# Altium PCB dac_brd_raton_v0.PcbDoc (part 1 of 3) (continued)
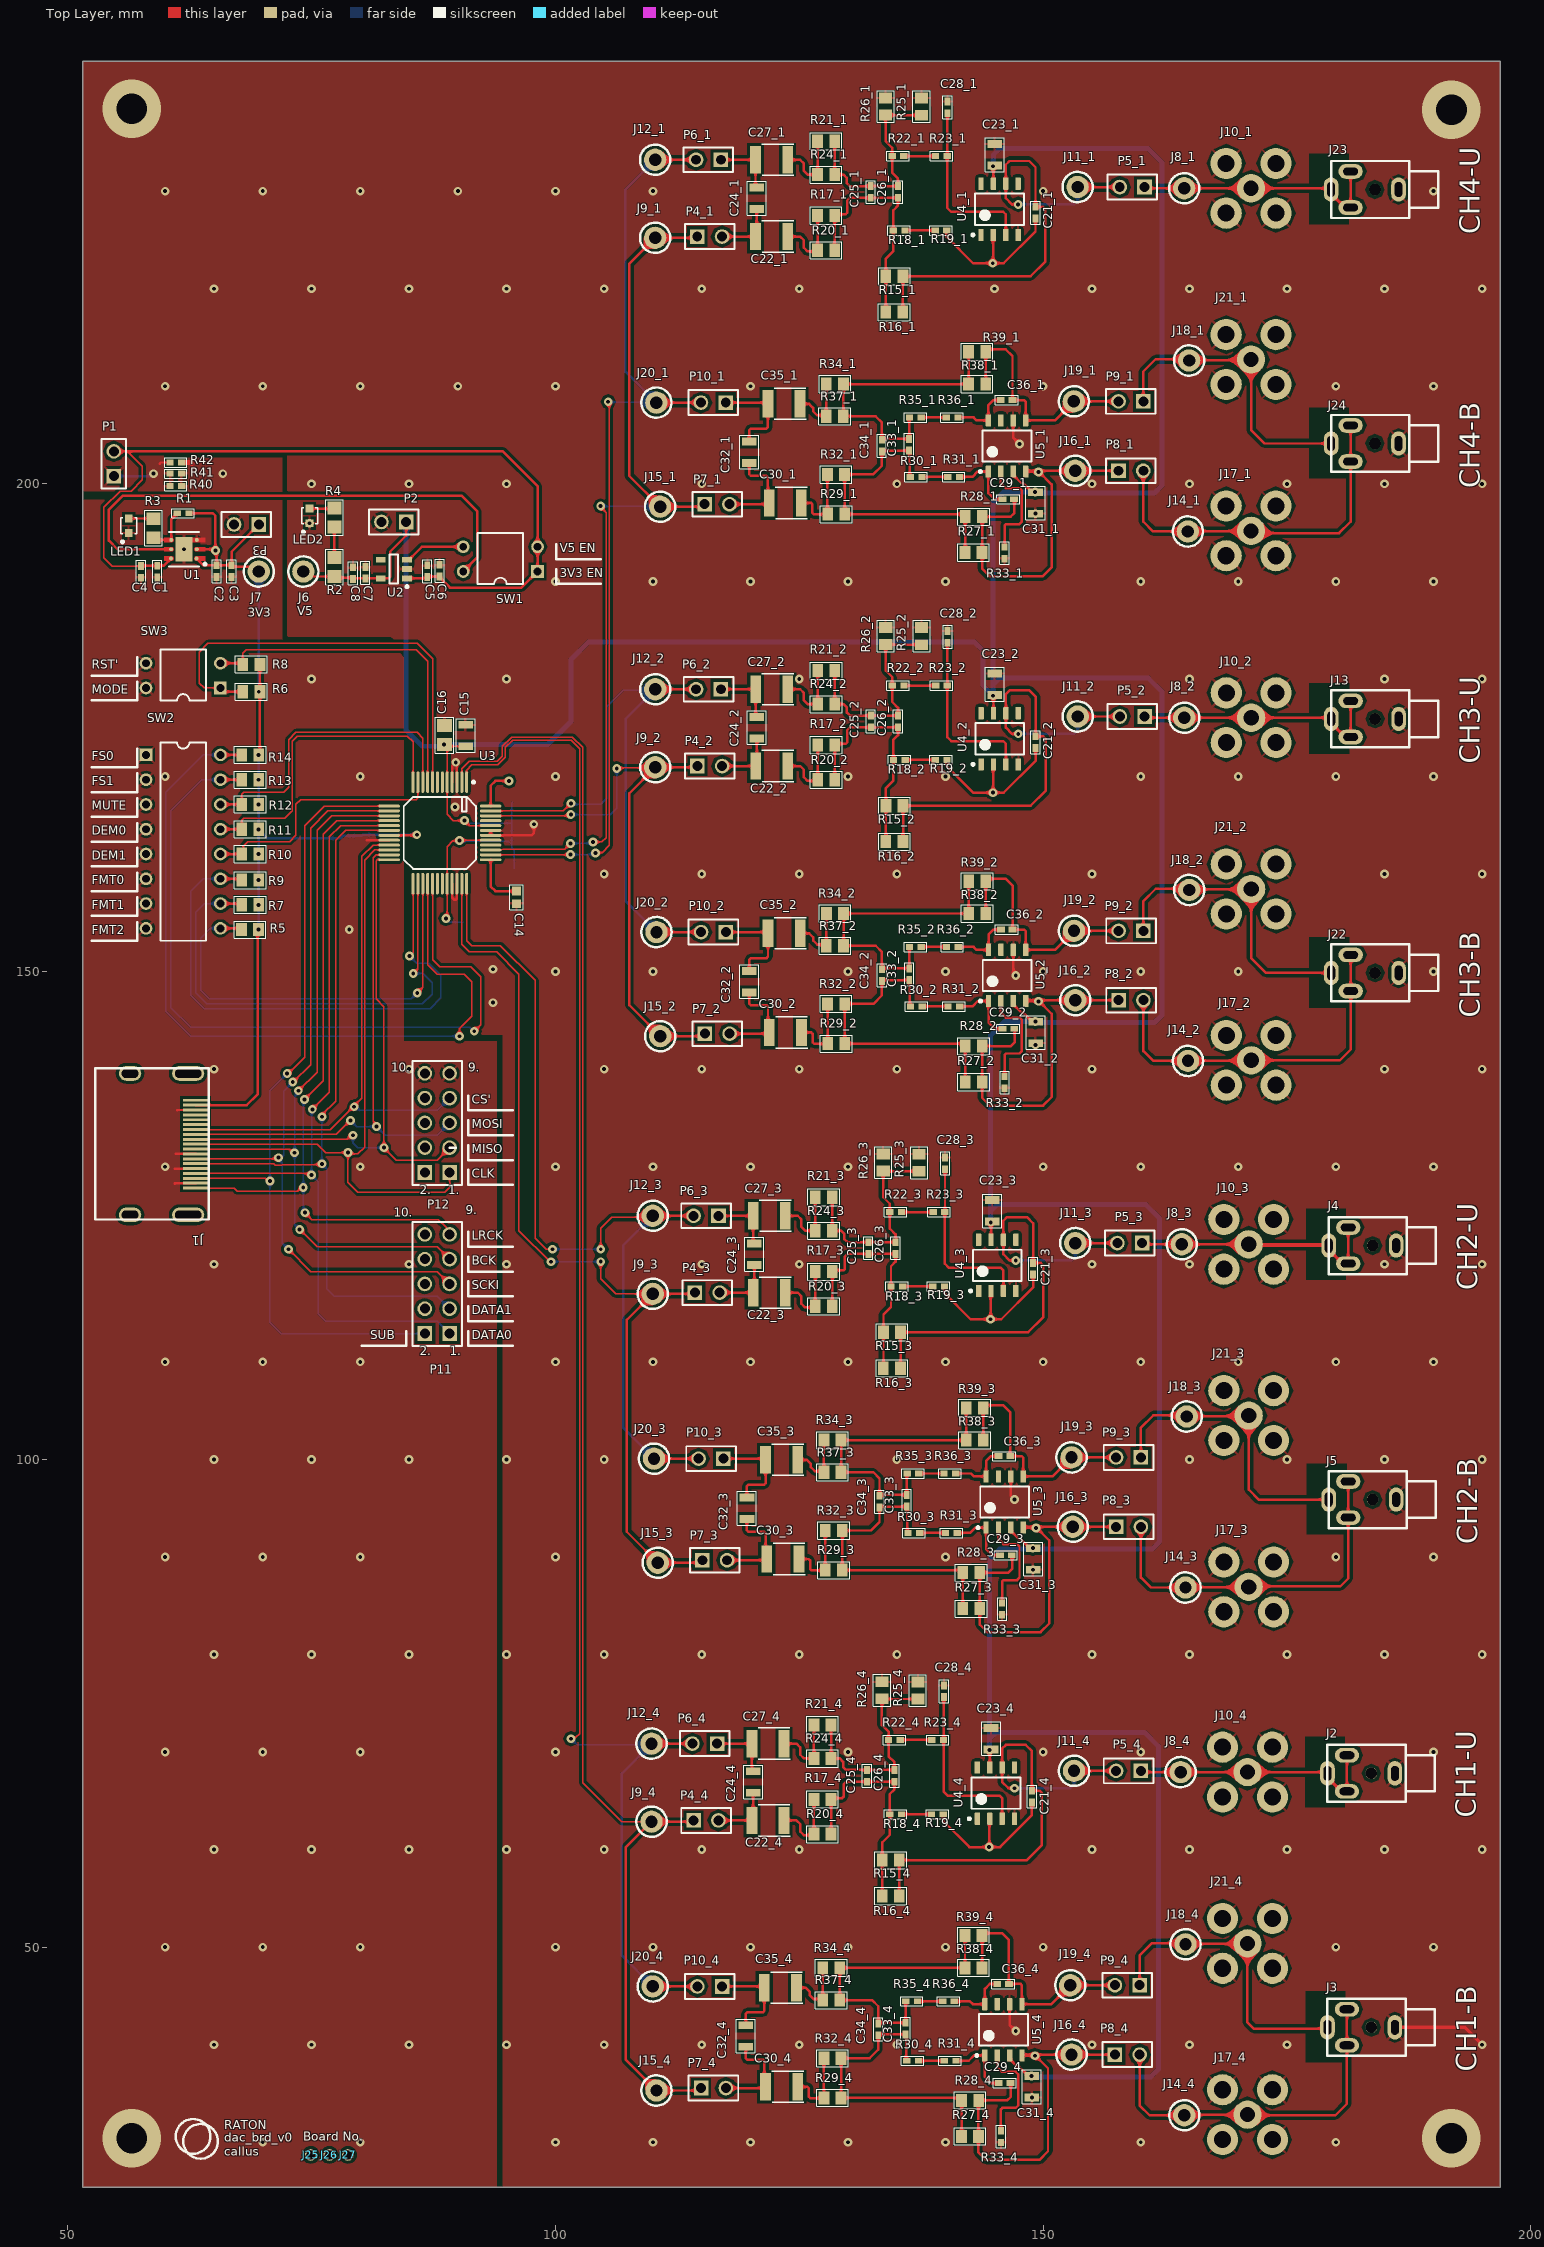
[diagram p0: Top Layer view]
## Components (designator, comment, footprint, x,y, rotation, side; value= is the part's Value field where it differs from the comment) (continued)
C31_2 "CAP 0.1uF CER 0805 50V  X7R 5%" 0805-M#1 149.225,143.764 r270 top value=100nF (schematic designator C31)
C31_3 "CAP 0.1uF CER 0805 50V  X7R 5%" 0805-M#1 148.971,89.789 r270 top value=100nF (schematic designator C31)
C31_4 "CAP 0.1uF CER 0805 50V  X7R 5%" 0805-M#1 148.844,35.687 r270 top value=100nF (schematic designator C31)
C32_1 "CAP 22pF CER 0805 50V C0G 2%" 0805-M#1 119.875,203.244 r90 top value=22pF (schematic designator C32)
C32_2 "CAP 22pF CER 0805 50V C0G 2%" 0805-M#1 119.888,148.971 r90 top value=22pF (schematic designator C32)
C32_3 "CAP 22pF CER 0805 50V C0G 2%" 0805-M#1 119.634,94.996 r90 top value=22pF (schematic designator C32)
C32_4 "CAP 22pF CER 0805 50V C0G 2%" 0805-M#1 119.507,40.894 r90 top value=22pF (schematic designator C32)
C33_1 "CAP 1nF CER 0402 50V X5R 10%" 0402-M#1 136.258,204.006 r90 top value=1nF (schematic designator C33)
C33_2 "CAP 1nF CER 0402 50V X5R 10%" 0402-M#1 136.271,149.733 r90 top value=1nF (schematic designator C33)
C33_3 "CAP 1nF CER 0402 50V X5R 10%" 0402-M#1 136.017,95.758 r90 top value=1nF (schematic designator C33)
C33_4 "CAP 1nF CER 0402 50V X5R 10%" 0402-M#1 135.89,41.656 r90 top value=1nF (schematic designator C33)
C34_1 "CAP 1nF CER 0402 50V X5R 10%" 0402-M#1 133.464,203.914 r90 top value=1nF (schematic designator C34)
C34_2 "CAP 1nF CER 0402 50V X5R 10%" 0402-M#1 133.477,149.641 r90 top value=1nF (schematic designator C34)
C34_3 "CAP 1nF CER 0402 50V X5R 10%" 0402-M#1 133.223,95.666 r90 top value=1nF (schematic designator C34)
C34_4 "CAP 1nF CER 0402 50V X5R 10%" 0402-M#1 133.096,41.564 r90 top value=1nF (schematic designator C34)
C35_1 "CAP 100uF CER 1210 16V X5R 20%" 1210-M 123.431,208.197 r180 top value=100µF (schematic designator C35)
C35_2 "CAP 100uF CER 1210 16V X5R 20%" 1210-M 123.444,153.924 r180 top value=100µF (schematic designator C35)
C35_3 "CAP 100uF CER 1210 16V X5R 20%" 1210-M 123.19,99.949 r180 top value=100µF (schematic designator C35)
C35_4 "CAP 100uF CER 1210 16V X5R 20%" 1210-M 123.063,45.847 r180 top value=100µF (schematic designator C35)
C36_1 "CAP 1nF CER 0402 50V X5R 10%" 0402-M#1 146.256,208.578 r0 top value=1nF (schematic designator C36)
C36_2 "CAP 1nF CER 0402 50V X5R 10%" 0402-M#1 146.269,154.305 r0 top value=1nF (schematic designator C36)
C36_3 "CAP 1nF CER 0402 50V X5R 10%" 0402-M#1 146.015,100.33 r0 top value=1nF (schematic designator C36)
C36_4 "CAP 1nF CER 0402 50V X5R 10%" 0402-M#1 145.888,46.228 r0 top value=1nF (schematic designator C36)
J1 "2086581051" 2086581051 64.419,132.31 r270 top
J2 "SJ1-2503A" SJ1-2503A-Footprint-1 183.642,67.818 r180 top
J3 "SJ1-2503A" SJ1-2503A-Footprint-1 183.642,41.783 r180 top
J4 "SJ1-2503A" SJ1-2503A-Footprint-1 183.769,121.92 r180 top
J5 "SJ1-2503A" SJ1-2503A-Footprint-1 183.769,95.885 r180 top
J6 "151-203-RC" 151-203-RC-Footprint-1 74.168,191.008 r180 top
J7 "151-203-RC" 151-203-RC-Footprint-1 69.596,191.008 r180 top
J8_1 "151-203-RC" 151-203-RC-Footprint-1 164.452,230.295 r180 top (schematic designator J8)
J8_2 "151-203-RC" 151-203-RC-Footprint-1 164.465,176.022 r180 top (schematic designator J8)
J8_3 "151-203-RC" 151-203-RC-Footprint-1 164.211,122.047 r180 top (schematic designator J8)
J8_4 "151-203-RC" 151-203-RC-Footprint-1 164.084,67.945 r180 top (schematic designator J8)
J9_1 "151-203-RC" 151-203-RC-Footprint-1 110.223,225.215 r90 top (schematic designator J9)
J9_2 "151-203-RC" 151-203-RC-Footprint-1 110.236,170.942 r90 top (schematic designator J9)
J9_3 "151-203-RC" 151-203-RC-Footprint-1 109.982,116.967 r90 top (schematic designator J9)
J9_4 "151-203-RC" 151-203-RC-Footprint-1 109.855,62.865 r90 top (schematic designator J9)
J10_1 "SMA CONNECTOR" "SMA CONNECTOR-Footprint-1" 171.31,230.295 r90 top (schematic designator J10)
J10_2 "SMA CONNECTOR" "SMA CONNECTOR-Footprint-1" 171.323,176.022 r90 top (schematic designator J10)
J10_3 "SMA CONNECTOR" "SMA CONNECTOR-Footprint-1" 171.069,122.047 r90 top (schematic designator J10)
J10_4 "SMA CONNECTOR" "SMA CONNECTOR-Footprint-1" 170.942,67.945 r90 top (schematic designator J10)
J11_1 "151-203-RC" 151-203-RC-Footprint-1 153.53,230.422 r180 top (schematic designator J11)
J11_2 "151-203-RC" 151-203-RC-Footprint-1 153.543,176.149 r180 top (schematic designator J11)
J11_3 "151-203-RC" 151-203-RC-Footprint-1 153.289,122.174 r180 top (schematic designator J11)
J11_4 "151-203-RC" 151-203-RC-Footprint-1 153.162,68.072 r180 top (schematic designator J11)
J12_1 "151-203-RC" 151-203-RC-Footprint-1 110.223,233.216 r90 top (schematic designator J12)
J12_2 "151-203-RC" 151-203-RC-Footprint-1 110.236,178.943 r90 top (schematic designator J12)
J12_3 "151-203-RC" 151-203-RC-Footprint-1 109.982,124.968 r90 top (schematic designator J12)
J12_4 "151-203-RC" 151-203-RC-Footprint-1 109.855,70.866 r90 top (schematic designator J12)
J13 "SJ1-2503A" SJ1-2503A-Footprint-1 184.023,175.895 r180 top
J14_1 "151-203-RC" 151-203-RC-Footprint-1 164.833,195.116 r90 top (schematic designator J14)
J14_2 "151-203-RC" 151-203-RC-Footprint-1 164.846,140.843 r90 top (schematic designator J14)
J14_3 "151-203-RC" 151-203-RC-Footprint-1 164.592,86.868 r90 top (schematic designator J14)
J14_4 "151-203-RC" 151-203-RC-Footprint-1 164.465,32.766 r90 top (schematic designator J14)
J15_1 "151-203-RC" 151-203-RC-Footprint-1 110.731,197.656 r180 top (schematic designator J15)
J15_2 "151-203-RC" 151-203-RC-Footprint-1 110.744,143.383 r180 top (schematic designator J15)
J15_3 "151-203-RC" 151-203-RC-Footprint-1 110.49,89.408 r180 top (schematic designator J15)
J15_4 "151-203-RC" 151-203-RC-Footprint-1 110.363,35.306 r180 top (schematic designator J15)
J16_1 "151-203-RC" 151-203-RC-Footprint-1 153.276,201.339 r90 top (schematic designator J16)
J16_2 "151-203-RC" 151-203-RC-Footprint-1 153.289,147.066 r90 top (schematic designator J16)
J16_3 "151-203-RC" 151-203-RC-Footprint-1 153.035,93.091 r90 top (schematic designator J16)
J16_4 "151-203-RC" 151-203-RC-Footprint-1 152.908,38.989 r90 top (schematic designator J16)
J17_1 "SMA CONNECTOR" "SMA CONNECTOR-Footprint-1" 171.31,195.18 r90 top (schematic designator J17)
J17_2 "SMA CONNECTOR" "SMA CONNECTOR-Footprint-1" 171.323,140.906 r90 top (schematic designator J17)
J17_3 "SMA CONNECTOR" "SMA CONNECTOR-Footprint-1" 171.069,86.931 r90 top (schematic designator J17)
J17_4 "SMA CONNECTOR" "SMA CONNECTOR-Footprint-1" 170.942,32.829 r90 top (schematic designator J17)
J18_1 "151-203-RC" 151-203-RC-Footprint-1 164.96,212.642 r90 top (schematic designator J18)
J18_2 "151-203-RC" 151-203-RC-Footprint-1 164.973,158.369 r90 top (schematic designator J18)
J18_3 "151-203-RC" 151-203-RC-Footprint-1 164.719,104.394 r90 top (schematic designator J18)
J18_4 "151-203-RC" 151-203-RC-Footprint-1 164.592,50.292 r90 top (schematic designator J18)
J19_1 "151-203-RC" 151-203-RC-Footprint-1 153.149,208.451 r90 top (schematic designator J19)
J19_2 "151-203-RC" 151-203-RC-Footprint-1 153.162,154.178 r90 top (schematic designator J19)
J19_3 "151-203-RC" 151-203-RC-Footprint-1 152.908,100.203 r90 top (schematic designator J19)
J19_4 "151-203-RC" 151-203-RC-Footprint-1 152.781,46.101 r90 top (schematic designator J19)
J20_1 "151-203-RC" 151-203-RC-Footprint-1 110.35,208.324 r180 top (schematic designator J20)
J20_2 "151-203-RC" 151-203-RC-Footprint-1 110.363,154.051 r180 top (schematic designator J20)
J20_3 "151-203-RC" 151-203-RC-Footprint-1 110.109,100.076 r180 top (schematic designator J20)
J20_4 "151-203-RC" 151-203-RC-Footprint-1 109.982,45.974 r180 top (schematic designator J20)
J21_1 "SMA CONNECTOR" "SMA CONNECTOR-Footprint-1" 171.31,212.738 r90 top (schematic designator J21)
J21_2 "SMA CONNECTOR" "SMA CONNECTOR-Footprint-1" 171.323,158.464 r90 top (schematic designator J21)
J21_3 "SMA CONNECTOR" "SMA CONNECTOR-Footprint-1" 171.069,104.489 r90 top (schematic designator J21)
J21_4 "SMA CONNECTOR" "SMA CONNECTOR-Footprint-1" 170.942,50.387 r90 top (schematic designator J21)
J22 "SJ1-2503A" SJ1-2503A-Footprint-1 184.023,149.86 r180 top
J23 "SJ1-2503A" SJ1-2503A-Footprint-1 184.01,230.168 r180 top
J24 "SJ1-2503A" SJ1-2503A-Footprint-1 184.01,204.133 r180 top
J25 "1PIN Debug" "1 Pin Debug Port 0.9mm" 74.93,28.702 r90 top
J26 "1PIN Debug" "1 Pin Debug Port 0.9mm" 76.835,28.702 r90 top
J27 "1PIN Debug" "1 Pin Debug Port 0.9mm" 78.74,28.702 r90 top
LED1 "LED 0603 Green 20mA 1.8V" "0603 Generic" 56.261,195.695 r90 top
LED2 "LED 0603 Green 20mA 1.8V" "0603 Generic" 74.803,196.711 r90 top
P1 "GENERIC 2PIN HEADER MALE" "GENERIC 2PIN HEADER 0" 54.737,200.787 r180 top
P2 "GENERIC 2PIN HEADER MALE" "GENERIC 2PIN HEADER 0" 84.709,196.088 r270 top
P3 "GENERIC 2PIN HEADER MALE" "GENERIC 2PIN HEADER 0" 69.596,195.834 r270 top
P4_1 "GENERIC 2PIN HEADER MALE" "GENERIC 2PIN HEADER 0" 114.541,225.342 r90 top (schematic designator P4)
P4_2 "GENERIC 2PIN HEADER MALE" "GENERIC 2PIN HEADER 0" 114.554,171.069 r90 top (schematic designator P4)
P4_3 "GENERIC 2PIN HEADER MALE" "GENERIC 2PIN HEADER 0" 114.3,117.094 r90 top (schematic designator P4)
P4_4 "GENERIC 2PIN HEADER MALE" "GENERIC 2PIN HEADER 0" 114.173,62.992 r90 top (schematic designator P4)
P5_1 "GENERIC 2PIN HEADER MALE" "GENERIC 2PIN HEADER 0" 160.388,230.422 r270 top (schematic designator P5)
P5_2 "GENERIC 2PIN HEADER MALE" "GENERIC 2PIN HEADER 0" 160.401,176.149 r270 top (schematic designator P5)
P5_3 "GENERIC 2PIN HEADER MALE" "GENERIC 2PIN HEADER 0" 160.147,122.174 r270 top (schematic designator P5)
P5_4 "GENERIC 2PIN HEADER MALE" "GENERIC 2PIN HEADER 0" 160.02,68.072 r270 top (schematic designator P5)
P6_1 "GENERIC 2PIN HEADER MALE" "GENERIC 2PIN HEADER 0" 116.954,233.216 r270 top (schematic designator P6)
P6_2 "GENERIC 2PIN HEADER MALE" "GENERIC 2PIN HEADER 0" 116.967,178.943 r270 top (schematic designator P6)
P6_3 "GENERIC 2PIN HEADER MALE" "GENERIC 2PIN HEADER 0" 116.713,124.968 r270 top (schematic designator P6)
P6_4 "GENERIC 2PIN HEADER MALE" "GENERIC 2PIN HEADER 0" 116.586,70.866 r270 top (schematic designator P6)
P7_1 "GENERIC 2PIN HEADER MALE" "GENERIC 2PIN HEADER 0" 115.303,197.91 r90 top (schematic designator P7)
P7_2 "GENERIC 2PIN HEADER MALE" "GENERIC 2PIN HEADER 0" 115.316,143.637 r90 top (schematic designator P7)
P7_3 "GENERIC 2PIN HEADER MALE" "GENERIC 2PIN HEADER 0" 115.062,89.662 r90 top (schematic designator P7)
P7_4 "GENERIC 2PIN HEADER MALE" "GENERIC 2PIN HEADER 0" 114.935,35.56 r90 top (schematic designator P7)
P8_1 "GENERIC 2PIN HEADER MALE" "GENERIC 2PIN HEADER 0" 157.721,201.339 r90 top (schematic designator P8)
P8_2 "GENERIC 2PIN HEADER MALE" "GENERIC 2PIN HEADER 0" 157.734,147.066 r90 top (schematic designator P8)
P8_3 "GENERIC 2PIN HEADER MALE" "GENERIC 2PIN HEADER 0" 157.48,93.091 r90 top (schematic designator P8)
P8_4 "GENERIC 2PIN HEADER MALE" "GENERIC 2PIN HEADER 0" 157.353,38.989 r90 top (schematic designator P8)
P9_1 "GENERIC 2PIN HEADER MALE" "GENERIC 2PIN HEADER 0" 160.261,208.451 r270 top (schematic designator P9)
P9_2 "GENERIC 2PIN HEADER MALE" "GENERIC 2PIN HEADER 0" 160.274,154.178 r270 top (schematic designator P9)
P9_3 "GENERIC 2PIN HEADER MALE" "GENERIC 2PIN HEADER 0" 160.02,100.203 r270 top (schematic designator P9)
P9_4 "GENERIC 2PIN HEADER MALE" "GENERIC 2PIN HEADER 0" 159.893,46.101 r270 top (schematic designator P9)
P10_1 "GENERIC 2PIN HEADER MALE" "GENERIC 2PIN HEADER 0" 117.462,208.324 r270 top (schematic designator P10)
P10_2 "GENERIC 2PIN HEADER MALE" "GENERIC 2PIN HEADER 0" 117.475,154.051 r270 top (schematic designator P10)
P10_3 "GENERIC 2PIN HEADER MALE" "GENERIC 2PIN HEADER 0" 117.221,100.076 r270 top (schematic designator P10)
P10_4 "GENERIC 2PIN HEADER MALE" "GENERIC 2PIN HEADER 0" 117.094,45.974 r270 top (schematic designator P10)
P11 "GENERIC 5x2 PINS HEADER MALE" "GENERIC 5PIN 2ROW HEADER 0" 89.154,112.903 r180 top
P12 "GENERIC 5x2 PINS HEADER MALE" "GENERIC 5PIN 2ROW HEADER 0" 89.154,129.413 r180 top
R1 "RES 10k 0402 63mW 5%" 0402-M#2 61.849,196.977 r0 top value=10k
R2 "RES 100 0805 125mW 1%" 0805-L#2 77.343,191.475 r270 top value=100
R3 "RES 100 0805 125mW 1%" 0805-L#2 58.801,195.453 r270 top value=100
R4 "RES 100 0805 125mW 1%" 0805-L#2 77.343,196.555 r270 top value=100
R5 "RES 10k 0805 125mW 1%" 0805-M#2 68.693,154.305 r0 top value=10k
R6 "RES 10k 0805 125mW 1%" 0805-M#2 68.834,178.689 r0 top value=10k
R7 "RES 10k 0805 125mW 1%" 0805-M#2 68.721,156.845 r0 top value=10k
R8 "RES 10k 0805 125mW 1%" 0805-M#2 68.834,181.483 r0 top value=10k
R9 "RES 10k 0805 125mW 1%" 0805-M#2 68.721,159.385 r0 top value=10k
R10 "RES 10k 0805 125mW 1%" 0805-M#2 68.721,162.052 r0 top value=10k
R11 "RES 10k 0805 125mW 1%" 0805-M#2 68.721,164.592 r0 top value=10k
R12 "RES 10k 0805 125mW 1%" 0805-M#2 68.721,167.132 r0 top value=10k
R13 "RES 10k 0805 125mW 1%" 0805-M#2 68.721,169.672 r0 top value=10k
R14 "RES 10k 0805 125mW 1%" 0805-M#2 68.721,172.212 r0 top value=10k
R15_1 "RES 10k 0805 125mW 1%" 0805-M#2 134.748,221.278 r0 top value=10k (schematic designator R15)
R15_2 "RES 10k 0805 125mW 1%" 0805-M#2 134.761,167.005 r0 top value=10k (schematic designator R15)
R15_3 "RES 10k 0805 125mW 1%" 0805-M#2 134.507,113.03 r0 top value=10k (schematic designator R15)
R15_4 "RES 10k 0805 125mW 1%" 0805-M#2 134.38,58.928 r0 top value=10k (schematic designator R15)
R16_1 "RES 10k 0805 125mW 1%" 0805-M#2 134.734,217.595 r0 top value=10k (schematic designator R16)
R16_2 "RES 10k 0805 125mW 1%" 0805-M#2 134.747,163.322 r0 top value=10k (schematic designator R16)
R16_3 "RES 10k 0805 125mW 1%" 0805-M#2 134.493,109.347 r0 top value=10k (schematic designator R16)
R16_4 "RES 10k 0805 125mW 1%" 0805-M#2 134.366,55.245 r0 top value=10k (schematic designator R16)
R17_1 "RES 10k 0805 125mW 1%" 0805-M#2 127.749,227.501 r0 top value=10k (schematic designator R17)
R17_2 "RES 10k 0805 125mW 1%" 0805-M#2 127.762,173.228 r0 top value=10k (schematic designator R17)
R17_3 "RES 10k 0805 125mW 1%" 0805-M#2 127.508,119.253 r0 top value=10k (schematic designator R17)
R17_4 "RES 10k 0805 125mW 1%" 0805-M#2 127.381,65.151 r0 top value=10k (schematic designator R17)
R18_1 "RES 1.5k 0402 63mW 5%" 0402-M#2 135.242,225.977 r0 top value=1.5k (schematic designator R18)
R18_2 "RES 1.5k 0402 63mW 5%" 0402-M#2 135.255,171.704 r0 top value=1.5k (schematic designator R18)
R18_3 "RES 1.5k 0402 63mW 5%" 0402-M#2 135.001,117.729 r0 top value=1.5k (schematic designator R18)
R18_4 "RES 1.5k 0402 63mW 5%" 0402-M#2 134.874,63.627 r0 top value=1.5k (schematic designator R18)
R19_1 "RES 1.5k 0402 63mW 5%" 0402-M#2 139.525,225.977 r0 top value=1.5k (schematic designator R19)
R19_2 "RES 1.5k 0402 63mW 5%" 0402-M#2 139.538,171.704 r0 top value=1.5k (schematic designator R19)
R19_3 "RES 1.5k 0402 63mW 5%" 0402-M#2 139.284,117.729 r0 top value=1.5k (schematic designator R19)
R19_4 "RES 1.5k 0402 63mW 5%" 0402-M#2 139.157,63.627 r0 top value=1.5k (schematic designator R19)
R20_1 "RES 10k 0805 125mW 1%" 0805-M#2 127.749,223.945 r0 top value=10k (schematic designator R20)
R20_2 "RES 10k 0805 125mW 1%" 0805-M#2 127.762,169.672 r0 top value=10k (schematic designator R20)
R20_3 "RES 10k 0805 125mW 1%" 0805-M#2 127.508,115.697 r0 top value=10k (schematic designator R20)
R20_4 "RES 10k 0805 125mW 1%" 0805-M#2 127.381,61.595 r0 top value=10k (schematic designator R20)
R21_1 "RES 10k 0805 125mW 1%" 0805-M#2 127.749,235.121 r0 top value=10k (schematic designator R21)
R21_2 "RES 10k 0805 125mW 1%" 0805-M#2 127.762,180.848 r0 top value=10k (schematic designator R21)
R21_3 "RES 10k 0805 125mW 1%" 0805-M#2 127.508,126.873 r0 top value=10k (schematic designator R21)
R21_4 "RES 10k 0805 125mW 1%" 0805-M#2 127.381,72.771 r0 top value=10k (schematic designator R21)
R22_1 "RES 1.5k 0402 63mW 5%" 0402-M#2 135.115,233.597 r0 top value=1.5k (schematic designator R22)
R22_2 "RES 1.5k 0402 63mW 5%" 0402-M#2 135.128,179.324 r0 top value=1.5k (schematic designator R22)
R22_3 "RES 1.5k 0402 63mW 5%" 0402-M#2 134.874,125.349 r0 top value=1.5k (schematic designator R22)
R22_4 "RES 1.5k 0402 63mW 5%" 0402-M#2 134.747,71.247 r0 top value=1.5k (schematic designator R22)
R23_1 "RES 1.5k 0402 63mW 5%" 0402-M#2 139.56,233.597 r0 top value=1.5k (schematic designator R23)
R23_2 "RES 1.5k 0402 63mW 5%" 0402-M#2 139.573,179.324 r0 top value=1.5k (schematic designator R23)
R23_3 "RES 1.5k 0402 63mW 5%" 0402-M#2 139.319,125.349 r0 top value=1.5k (schematic designator R23)
R23_4 "RES 1.5k 0402 63mW 5%" 0402-M#2 139.192,71.247 r0 top value=1.5k (schematic designator R23)
R24_1 "RES 10k 0805 125mW 1%" 0805-M#2 127.749,231.692 r0 top value=10k (schematic designator R24)
R24_2 "RES 10k 0805 125mW 1%" 0805-M#2 127.762,177.419 r0 top value=10k (schematic designator R24)
R24_3 "RES 10k 0805 125mW 1%" 0805-M#2 127.508,123.444 r0 top value=10k (schematic designator R24)
R24_4 "RES 10k 0805 125mW 1%" 0805-M#2 127.381,69.342 r0 top value=10k (schematic designator R24)
R25_1 "RES 10k 0805 125mW 1%" 0805-M#2 137.528,238.663 r270 top value=10k (schematic designator R25)
R25_2 "RES 10k 0805 125mW 1%" 0805-M#2 137.541,184.39 r270 top value=10k (schematic designator R25)
R25_3 "RES 10k 0805 125mW 1%" 0805-M#2 137.287,130.415 r270 top value=10k (schematic designator R25)
R25_4 "RES 10k 0805 125mW 1%" 0805-M#2 137.16,76.313 r270 top value=10k (schematic designator R25)
R26_1 "RES 10k 0805 125mW 1%" 0805-M#2 133.845,238.677 r270 top value=10k (schematic designator R26)
R26_2 "RES 10k 0805 125mW 1%" 0805-M#2 133.858,184.404 r270 top value=10k (schematic designator R26)
R26_3 "RES 10k 0805 125mW 1%" 0805-M#2 133.604,130.429 r270 top value=10k (schematic designator R26)
R26_4 "RES 10k 0805 125mW 1%" 0805-M#2 133.477,76.327 r270 top value=10k (schematic designator R26)
R27_1 "RES 10k 0805 125mW 1%" 0805-M#2 142.862,192.957 r0 top value=10k (schematic designator R27)
R27_2 "RES 10k 0805 125mW 1%" 0805-M#2 142.875,138.684 r0 top value=10k (schematic designator R27)
R27_3 "RES 10k 0805 125mW 1%" 0805-M#2 142.621,84.709 r0 top value=10k (schematic designator R27)
R27_4 "RES 10k 0805 125mW 1%" 0805-M#2 142.494,30.607 r0 top value=10k (schematic designator R27)
R28_1 "RES 10k 0805 125mW 1%" 0805-M#2 142.876,196.64 r0 top value=10k (schematic designator R28)
R28_2 "RES 10k 0805 125mW 1%" 0805-M#2 142.889,142.367 r0 top value=10k (schematic designator R28)
R28_3 "RES 10k 0805 125mW 1%" 0805-M#2 142.635,88.392 r0 top value=10k (schematic designator R28)
R28_4 "RES 10k 0805 125mW 1%" 0805-M#2 142.508,34.29 r0 top value=10k (schematic designator R28)
R29_1 "RES 10k 0805 125mW 1%" 0805-M#2 128.779,196.894 r0 top value=10k (schematic designator R29)
R29_2 "RES 10k 0805 125mW 1%" 0805-M#2 128.792,142.621 r0 top value=10k (schematic designator R29)
R29_3 "RES 10k 0805 125mW 1%" 0805-M#2 128.538,88.646 r0 top value=10k (schematic designator R29)
R29_4 "RES 10k 0805 125mW 1%" 0805-M#2 128.411,34.544 r0 top value=10k (schematic designator R29)
R30_1 "RES 1.5k 0402 63mW 5%" 0402-M#2 136.985,200.704 r0 top value=1.5k (schematic designator R30)
R30_2 "RES 1.5k 0402 63mW 5%" 0402-M#2 136.998,146.431 r0 top value=1.5k (schematic designator R30)
R30_3 "RES 1.5k 0402 63mW 5%" 0402-M#2 136.744,92.456 r0 top value=1.5k (schematic designator R30)
R30_4 "RES 1.5k 0402 63mW 5%" 0402-M#2 136.617,38.354 r0 top value=1.5k (schematic designator R30)
R31_1 "RES 1.5k 0402 63mW 5%" 0402-M#2 140.83,200.704 r0 top value=1.5k (schematic designator R31)
R31_2 "RES 1.5k 0402 63mW 5%" 0402-M#2 140.843,146.431 r0 top value=1.5k (schematic designator R31)
R31_3 "RES 1.5k 0402 63mW 5%" 0402-M#2 140.589,92.456 r0 top value=1.5k (schematic designator R31)
R31_4 "RES 1.5k 0402 63mW 5%" 0402-M#2 140.462,38.354 r0 top value=1.5k (schematic designator R31)
R32_1 "RES 10k 0805 125mW 1%" 0805-M#2 128.765,200.958 r0 top value=10k (schematic designator R32)
R32_2 "RES 10k 0805 125mW 1%" 0805-M#2 128.778,146.685 r0 top value=10k (schematic designator R32)
R32_3 "RES 10k 0805 125mW 1%" 0805-M#2 128.524,92.71 r0 top value=10k (schematic designator R32)
R32_4 "RES 10k 0805 125mW 1%" 0805-M#2 128.397,38.608 r0 top value=10k (schematic designator R32)
R33_1 "RES 0 0402 63mW" 0402-M#2 146.037,192.922 r90 top value=0 (schematic designator R33)
R33_2 "RES 0 0402 63mW" 0402-M#2 146.05,138.649 r90 top value=0 (schematic designator R33)
R33_3 "RES 0 0402 63mW" 0402-M#2 145.796,84.674 r90 top value=0 (schematic designator R33)
R33_4 "RES 0 0402 63mW" 0402-M#2 145.669,30.572 r90 top value=0 (schematic designator R33)
R34_1 "RES 10k 0805 125mW 1%" 0805-M#2 128.652,210.229 r0 top value=10k (schematic designator R34)
R34_2 "RES 10k 0805 125mW 1%" 0805-M#2 128.665,155.956 r0 top value=10k (schematic designator R34)
R34_3 "RES 10k 0805 125mW 1%" 0805-M#2 128.411,101.981 r0 top value=10k (schematic designator R34)
R34_4 "RES 10k 0805 125mW 1%" 0805-M#2 128.284,47.879 r0 top value=10k (schematic designator R34)
R35_1 "RES 1.5k 0402 63mW 5%" 0402-M#2 136.893,206.8 r0 top value=1.5k (schematic designator R35)
R35_2 "RES 1.5k 0402 63mW 5%" 0402-M#2 136.906,152.527 r0 top value=1.5k (schematic designator R35)
R35_3 "RES 1.5k 0402 63mW 5%" 0402-M#2 136.652,98.552 r0 top value=1.5k (schematic designator R35)
R35_4 "RES 1.5k 0402 63mW 5%" 0402-M#2 136.525,44.45 r0 top value=1.5k (schematic designator R35)
R36_1 "RES 1.5k 0402 63mW 5%" 0402-M#2 140.668,206.8 r0 top value=1.5k (schematic designator R36)
R36_2 "RES 1.5k 0402 63mW 5%" 0402-M#2 140.681,152.527 r0 top value=1.5k (schematic designator R36)
R36_3 "RES 1.5k 0402 63mW 5%" 0402-M#2 140.427,98.552 r0 top value=1.5k (schematic designator R36)
R36_4 "RES 1.5k 0402 63mW 5%" 0402-M#2 140.3,44.45 r0 top value=1.5k (schematic designator R36)
R37_1 "RES 10k 0805 125mW 1%" 0805-M#2 128.638,206.927 r0 top value=10k (schematic designator R37)
R37_2 "RES 10k 0805 125mW 1%" 0805-M#2 128.651,152.654 r0 top value=10k (schematic designator R37)
R37_3 "RES 10k 0805 125mW 1%" 0805-M#2 128.397,98.679 r0 top value=10k (schematic designator R37)
R37_4 "RES 10k 0805 125mW 1%" 0805-M#2 128.27,44.577 r0 top value=10k (schematic designator R37)
R38_1 "RES 10k 0805 125mW 1%" 0805-M#2 143.229,210.229 r180 top value=10k (schematic designator R38)
R38_2 "RES 10k 0805 125mW 1%" 0805-M#2 143.242,155.956 r180 top value=10k (schematic designator R38)
R38_3 "RES 10k 0805 125mW 1%" 0805-M#2 142.988,101.981 r180 top value=10k (schematic designator R38)
R38_4 "RES 10k 0805 125mW 1%" 0805-M#2 142.861,47.879 r180 top value=10k (schematic designator R38)
R39_1 "RES 10k 0805 125mW 1%" 0805-M#2 143.229,213.531 r180 top value=10k (schematic designator R39)
R39_2 "RES 10k 0805 125mW 1%" 0805-M#2 143.242,159.258 r180 top value=10k (schematic designator R39)
R39_3 "RES 10k 0805 125mW 1%" 0805-M#2 142.988,105.283 r180 top value=10k (schematic designator R39)
R39_4 "RES 10k 0805 125mW 1%" 0805-M#2 142.861,51.181 r180 top value=10k (schematic designator R39)
R40 "RES 0 0402 63mW" 0402-M#2 61.087,199.771 r0 top value=0
R41 "RES 0 0402 63mW" 0402-M#2 61.087,201.041 r0 top value=0
R42 "RES 0 0402 63mW" 0402-M#2 61.087,202.184 r0 top value=0
SW1 "210-2MS" 210-2MS-Footprint-1 98.171,191.008 r180 top
SW2 "210-8MS" 210-8MS 58.039,172.212 r0 top
SW3 "210-2MS" 210-2MS-Footprint-1 65.659,179.07 r180 top
U1 "LD39200PU33R" FP-DFN6-7946637-MFG 61.925,193.294 r180 top
U2 "MIC5225-5.0YM5-TR" SOT95P280X145-5N 83.439,191.262 r180 top
U3 "PCM4104PFBR" CQFP50P1170X1170X100-48N 88.158,164.218 r270 top
U4_1 "OPA227UA/2K5" D0008A_L 145.529,228.136 r90 top (schematic designator U4)
U4_2 "OPA227UA/2K5" D0008A_L 145.542,173.863 r90 top (schematic designator U4)
U4_3 "OPA227UA/2K5" D0008A_L 145.288,119.888 r90 top (schematic designator U4)
U4_4 "OPA227UA/2K5" D0008A_L 145.161,65.786 r90 top (schematic designator U4)
U5_1 "OPA1632DR" D0008A_L 146.291,203.879 r90 top (schematic designator U5)
U5_2 "OPA1632DR" D0008A_L 146.304,149.606 r90 top (schematic designator U5)
U5_3 "OPA1632DR" D0008A_L 146.05,95.631 r90 top (schematic designator U5)
U5_4 "OPA1632DR" D0008A_L 145.923,41.529 r90 top (schematic designator U5)

## Footprints (in the part's own frame and the unit in brackets; to place one, negate y for a bottom-side part, rotate by r counter-clockwise, add the part's x,y. Pads: shape width x height; smd on the part's side, far side on the other; paste and mask are expansions set on the pad)
"1 Pin Debug Port 0.9mm" [mm] "Male Header, Pitch 2.54mm, 1x1 Position, Mated Height 6mm, Tail Length 3mm"
  round 1.2 hole 0.9: 1(0,0)
151-203-RC-Footprint-1 [mil]
  round 90 hole 50 mask+10: 1(0,0)
  silkscreen extent -61,-61 61,61, body extent -45,-45 45,45, height 197
210-2MS-Footprint-1 [mm]
  rect 1.3x1.3 hole 0.8: 1(0,0)
  round 1.3 hole 0.8: 2(0,-2.54) 3(7.62,-2.54) 4(7.62,0)
  silkscreen extent 1.48,-3.94 6.14,1.27, body extent -0.47,-4.57 8.09,1.99, height 4.97
210-8MS [mm]
  rect 1.3x1.3 hole 0.8: 1(0,0)
  round 1.3 hole 0.8: 2(0,-2.54) 3(0,-5.08) 4(0,-7.62) 5(0,-10.16) 6(0,-12.7) 7(0,-15.24) 8(0,-17.78) 9(7.62,-17.78) 10(7.62,-15.24) 11(7.62,-12.7) 12(7.62,-10.16) 13(7.62,-7.62) 14(7.62,-5.08) 15(7.62,-2.54) 16(7.62,0)
  silkscreen extent 1.48,-19.05 6.14,1.27, body extent -0.51,-19.92 8.04,1.88, height 5.52
0402-M#1 [mm] "Chip Capacitor, 2-Leads, Body 1.0x0.5mm, IPC Medium Density"
  rect 0.8x0.6 smd: 1(-0.6,0) 2(0.6,0)
  silkscreen extent -1.17,-0.48 1.17,0.47, body extent -0.5,-0.25 0.5,0.25, height 0.5
0402-M#2 [mm] "Chip Resistor, 2-Leads, Body 1.00x0.50mm, IPC Medium Density"
  rect 0.75x0.6 smd: 1(-0.6,0) 2(0.6,0)
  silkscreen extent -1.15,-0.48 1.15,0.48, body extent -0.52,-0.28 0.53,0.27, height 0.36
"0603 Generic" [mm]
  rect 0.8x0.8 smd: 1(-0.75,0) 2(0.75,0)
  silkscreen extent -1.77,-0.81 0.82,0.8, body extent -1.25,-0.5 1.25,0.5, height 0.6
0603-M [mm] "Chip Capacitor, 2-Leads, Body 1.60x0.80mm, IPC Medium Density"
  rect 0.9x0.95 smd: 1(-0.65,0) 2(0.65,0)
  silkscreen extent -1.3,-0.67 1.28,0.67, body extent -0.85,-0.45 0.85,0.45, height 0.9
0805-L#1 [mm] "Chip Capacitor, 2-Leads, Body 2.00x1.25mm, IPC Low Density"
  rect 1.35x1.55 smd: 1(-0.975,0) 2(0.975,0)
  silkscreen extent -1.85,-0.95 1.85,0.97, body extent -1,-0.62 1,0.63, height 0.78
0805-L#2 [mm] "Chip Resistor, 2-Leads, Body 2.0x1.3mm, IPC Low Density"
  rect 1.3x1.45 smd: 1(-0.975,0) 2(0.975,0)
  silkscreen extent -1.83,-0.9 1.83,0.9, body extent -1.07,-0.67 1.07,0.67, height 0.42
0805-M#1 [mm] "Chip Capacitor, 2-Leads, Body 2.0x1.3mm, IPC Medium Density"
  rect 0.8x1.5 smd: 1(-1.1,0) 2(1.1,0)
  silkscreen extent -1.73,-0.97 1.73,0.98, body extent -1,-0.62 1,0.63, height 0.78
0805-M#2 [mm] "Chip Resistor, 2-Leads, Body 2.0x1.3mm, IPC Medium Density"
  rect 1.1x1.35 smd: 1(-0.875,0) 2(0.875,0)
  silkscreen extent -1.63,-0.87 1.63,0.87, body extent -1.07,-0.67 1.07,0.67, height 0.42
1210-M [mm] "Chip Capacitor, 2-Leads, Body 3.2x2.5mm, IPC Medium Density"
  rect 1.1x2.8 smd: 1(-1.65,0) 2(1.65,0)
  silkscreen extent -2.27,-1.6 1,1.6, body extent -1.6,-1.25 1.6,1.25, height 2.5
2086581051 [mm]
  rect 0.3x2.6 smd mask+0.05: 1(4.5,-1.3) 2(4,-1.3) 3(3.5,-1.3) 4(3,-1.3) 5(2.5,-1.3) 6(2,-1.3) 7(1.5,-1.3) 8(1,-1.3) 9(0.5,-1.3) 10(0,-1.3) 11(-0.5,-1.3) 12(-1,-1.3) 13(-1.5,-1.3) 14(-2,-1.3) 15(-2.5,-1.3) 16(-3,-1.3) 17(-3.5,-1.3) 18(-4,-1.3) 19(-4.5,-1.3)
  oval 1.5x3.3 hole 0.9 slot 2.7 at 90 deg: ""(-7.25,-2.06) ""(7.25,-2.06)
  oval 1.5x2.3 hole 0.9 slot 1.7 at 90 deg: ""(-7.25,-8.02) ""(7.25,-8.02)
  silkscreen extent -7.77,-11.6 7.72,0.05, body extent -7.5,-12.7 7.5,-0.55, height 6.21
CQFP50P1170X1170X100-48N [mm] "CQFP, 48-Leads, Body 11.70x11.70mm, Pitch 0.50mm, IPC Medium Density"
  oval 2.2x0.3 smd: 1(-5.2,2.75) 2(-5.2,2.25) 3(-5.2,1.75) 4(-5.2,1.25) 5(-5.2,0.75) 6(-5.2,0.25) 7(-5.2,-0.25) 8(-5.2,-0.75) 9(-5.2,-1.25) 10(-5.2,-1.75) 11(-5.2,-2.25) 12(-5.2,-2.75) 25(5.2,-2.75) 26(5.2,-2.25) 27(5.2,-1.75) 28(5.2,-1.25) 29(5.2,-0.75) 30(5.2,-0.25) 31(5.2,0.25) 32(5.2,0.75) 33(5.2,1.25) 34(5.2,1.75) 35(5.2,2.25) 36(5.2,2.75)
  oval 0.3x2.2 smd: 13(-2.75,-5.2) 14(-2.25,-5.2) 15(-1.75,-5.2) 16(-1.25,-5.2) 17(-0.75,-5.2) 18(-0.25,-5.2) 19(0.25,-5.2) 20(0.75,-5.2) 21(1.25,-5.2) 22(1.75,-5.2) 23(2.25,-5.2) 24(2.75,-5.2) 37(2.75,5.2) 38(2.25,5.2) 39(1.75,5.2) 40(1.25,5.2) 41(0.75,5.2) 42(0.25,5.2) 43(-0.25,5.2) 44(-0.75,5.2) 45(-1.25,5.2) 46(-1.75,5.2) 47(-2.25,5.2) 48(-2.75,5.2)
  silkscreen extent -5.32,-3.7 3.7,3.7, body extent -5.95,-5.95 5.95,5.95, height 0.75
D0008A_L [mm] "SOIC, 8-Leads, Body 5x4mm, Pitch 1.27mm, IPC High Density"
  rrect18% 1.25x0.55 smd: 1(-2.625,1.905) 2(-2.625,0.635) 3(-2.625,-0.635) 4(-2.625,-1.905) 5(2.625,-1.905) 6(2.625,-0.635) 7(2.625,0.635) 8(2.625,1.905)
  silkscreen extent -2.75,-2.5 1.6,2.85, body extent -3,-2.45 3,2.45, height 1.63
FP-DFN6-7946637-MFG [mm]
  round 0.405 smd paste+0 mask+0: 1(-1.3,0.95) 2(-1.321,0) 3(-1.321,-0.95) 4(1.3,-0.95) 5(1.321,0) 6(1.321,0.95)
  rect 1.75x2.5 smd paste+0 mask+0: 7(0,0)
  Top Layer region: -2.159,1.175 -1.275,1.175 -1.163,1.145 -1.08,1.062 -1.05,0.95 -1.05,0.95 -1.067,0.864 -1.116,0.791 -1.189,0.742 -1.275,0.725 -1.275,0.725 -2.159,0.725
  Top Layer region: -2.159,0.225 -1.275,0.225 -1.189,0.208 -1.116,0.159 -1.067,0.086 -1.05,0 -1.05,0 -1.067,-0.086 -1.116,-0.159 -1.189,-0.208 -1.275,-0.225 -1.275,-0.225 -2.159,-0.225
  Top Layer region: -2.159,-0.725 -1.275,-0.725 -1.189,-0.742 -1.116,-0.791 -1.067,-0.864 -1.05,-0.95 -1.05,-0.95 -1.067,-1.036 -1.116,-1.109 -1.189,-1.158 -1.275,-1.175 -1.275,-1.175 -2.159,-1.175
  Top Layer region: 2.032,-1.175 1.275,-1.175 1.163,-1.145 1.08,-1.062 1.05,-0.95 1.05,-0.95 1.067,-0.864 1.116,-0.791 1.189,-0.742 1.275,-0.725 1.275,-0.725 2.032,-0.725
  Top Layer region: 2.032,-0.225 1.275,-0.225 1.189,-0.208 1.116,-0.159 1.067,-0.086 1.05,0 1.05,0 1.067,0.086 1.116,0.159 1.189,0.208 1.275,0.225 1.275,0.225 2.032,0.225
  Top Layer region: 2.032,0.725 1.275,0.725 1.189,0.742 1.116,0.791 1.067,0.864 1.05,0.95 1.05,0.95 1.067,1.036 1.116,1.109 1.189,1.158 1.275,1.175 1.275,1.175 2.032,1.175
  silkscreen extent -2.28,-1.75 1.55,1.75, body extent -1.65,-1.65 1.65,1.65, height 0.25
"GENERIC 2PIN HEADER 0" [mm] "Male Header, Pitch 2.54mm, 2x1 Position, Mated Height 6mm, Tail Length 3mm"
  rect 1.5x1.5 hole 1.02: 1(0,0)
  round 1.5 hole 1.02: 2(0,-2.54)
  silkscreen extent -1.27,-3.81 1.27,1.27, body extent -1.27,-3.81 1.27,1.27, height 8.4
"GENERIC 5PIN 2ROW HEADER 0" [mm] "Male Header, Pitch 2.54mm, 5x2 Position, Mated Height 6mm, Tail Length 3mm"
  rect 1.5x1.5 hole 1.02: 1(0,0) 2(2.54,0)
  round 1.5 hole 1.02: 3(0,-2.54) 4(2.54,-2.54) 5(0,-5.08) 6(2.54,-5.08) 7(0,-7.62) 8(2.54,-7.62) 9(0,-10.16) 10(2.54,-10.16)
  silkscreen extent -1.27,-11.43 3.81,1.27, body extent -1.27,-11.43 3.81,1.27, height 9.5
SJ1-2503A-Footprint-1 [mm]
  oval 1.5x2.5 hole 1.5 slot 0.8 at 0 deg: 1(-2.413,0) 4(4.5,0)
  oval 2.5x1.5 hole 1.5 slot 0.8 at 90 deg: 2(2.5,-1.85) 3(2.5,1.85)
  round 1.2 hole 1.2: ""(0,0)
  silkscreen extent -6.48,-2.92 4.5,2.92
"SMA CONNECTOR-Footprint-1" [mm]
  round 3.2 hole 1.75: 1(-2.553,-2.553) 1(-2.553,2.553) 1(2.553,-2.553) 1(2.553,2.553)
  round 2.9 hole 1.55: 2(0,0)
  body extent -3.36,-3.26 3.14,3.24, height 10.6
SOT95P280X145-5N [mm] "SOT23, 5-Leads, Body 2.90x2.80mm, Pitch 0.95mm, IPC Medium Density"
  rect 1x0.6 smd: 1(-1.35,0.95) 2(-1.35,0) 3(-1.35,-0.95) 4(1.35,-0.95) 5(1.35,0.95)
  silkscreen extent -1.48,-1.5 0.45,1.92, body extent -1.5,-1.5 1.5,1.5, height 1.45